# KiCad board uf2-batch-flasher.kicad_pcb
title: UF2 Batch Flasher; date: 2023-10-20; rev: 0.1; company: nbp.name; note: A Raspberry Pi Pico W is used to toggle one USB at a time, and flash it.; note: Select and flash images to up to 64 USB devices.
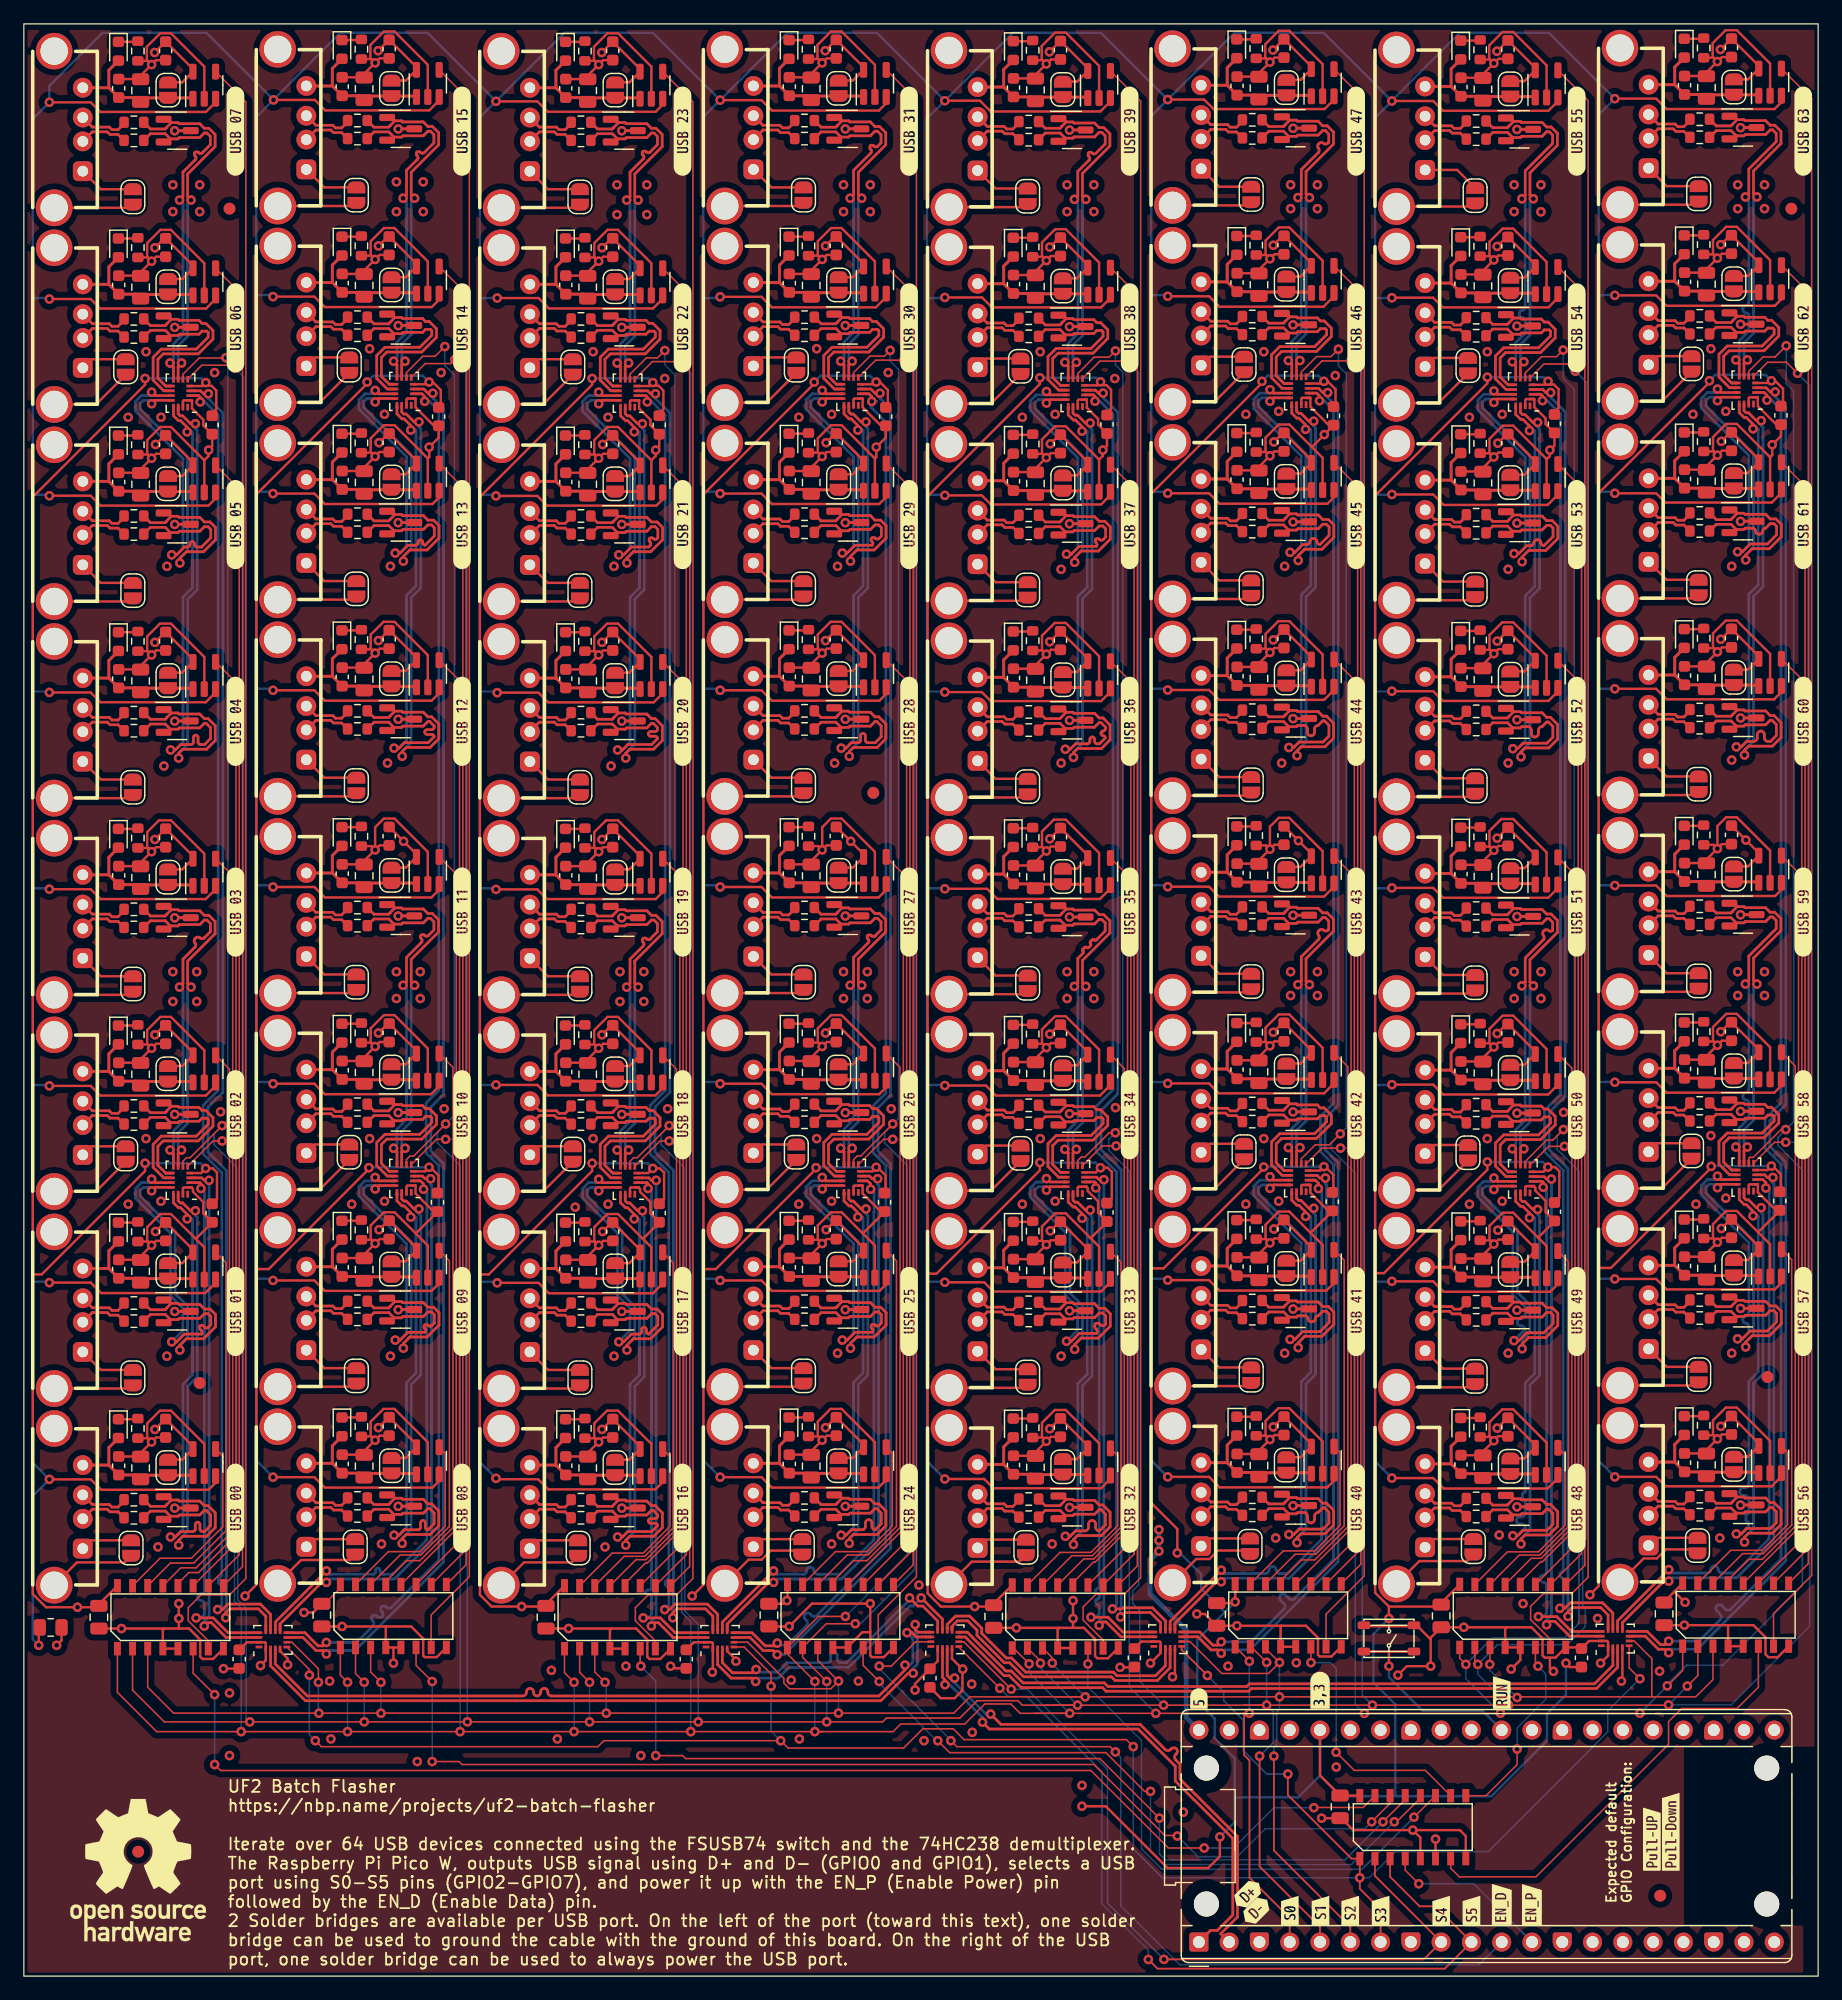
[diagram p0: board, top side]
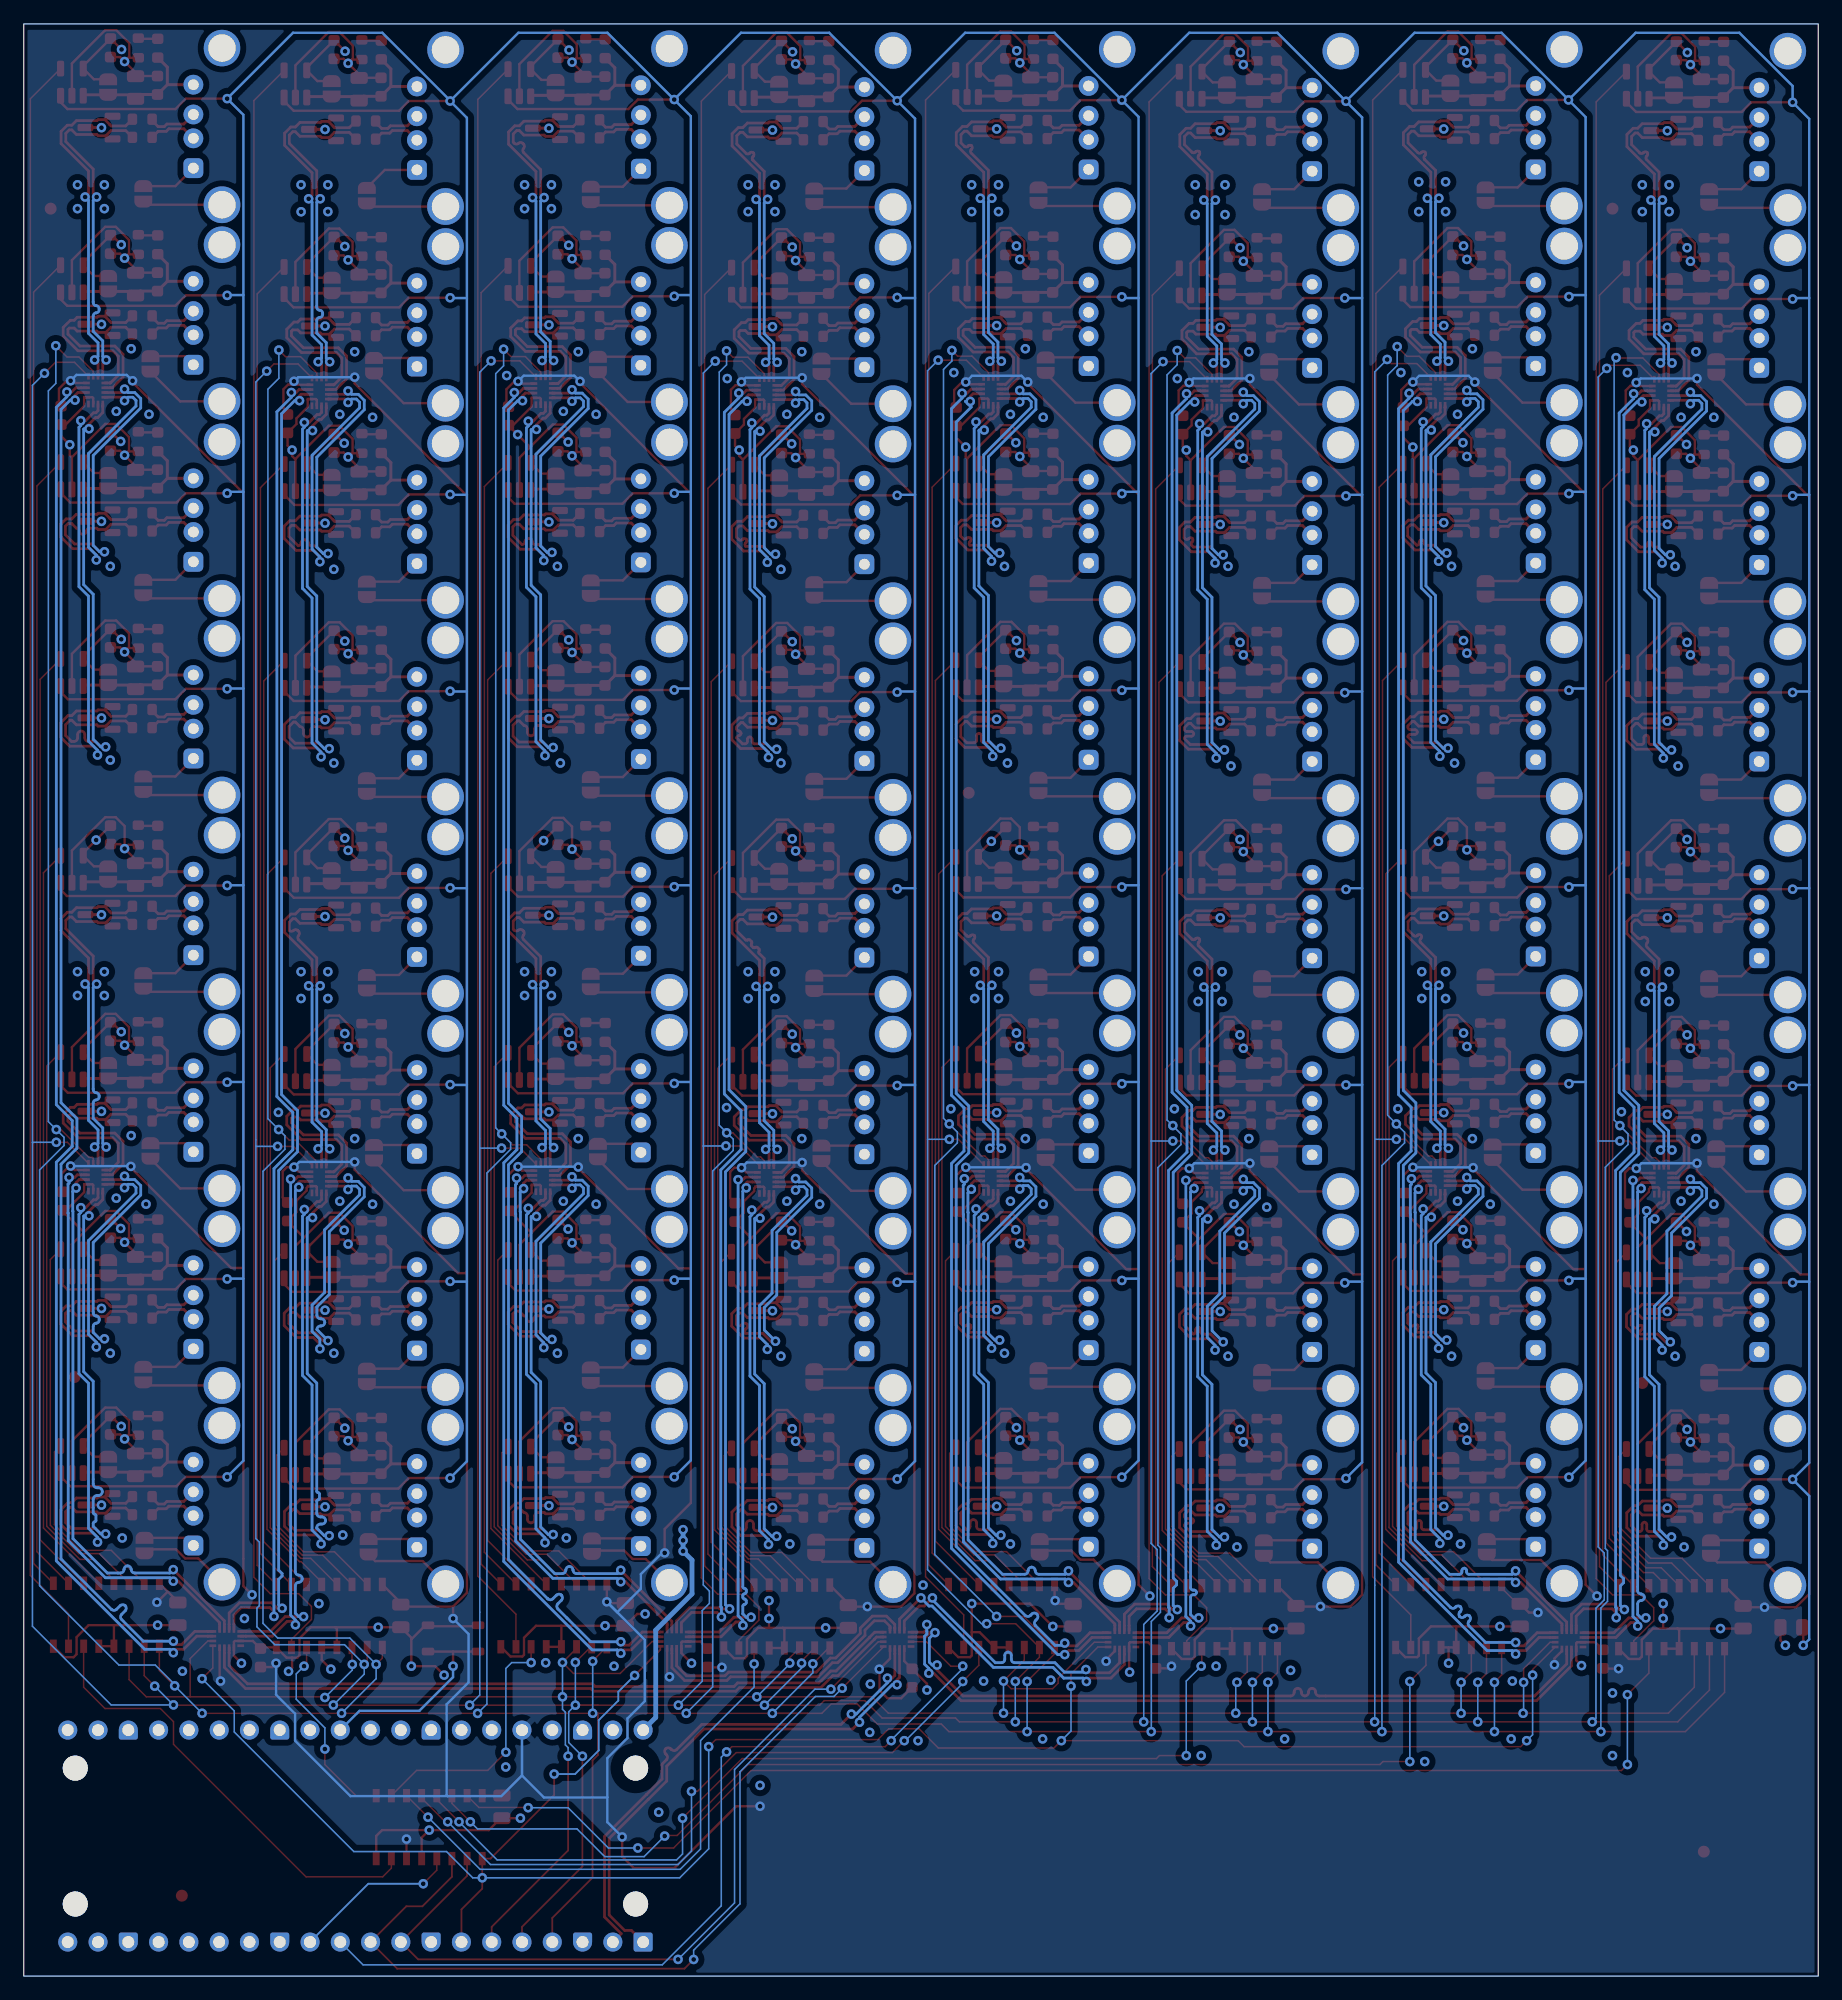
[diagram p1: board, bottom side, seen from below]

Outline 150.5 x 163.75 mm; copper layers: Top, In1.Cu (plane), In2.Cu (plane), Bottom. Coordinates in mm from the lower left corner of the outline.
Outline path: 0,163.75 150.5,163.75 150.5,0 0,0 closed
Stack: Top 0.035mm / dielectric 0.1mm Prepreg 1080 / R-1551(W) er 4.3 / In1.Cu 0.035mm / dielectric 1.24mm Prepreg 1080 / R-1551(W) er 4.3 / In2.Cu 0.035mm / dielectric 0.1mm FR4 er 4.5 / Bottom 0.035mm

## Placement (name value [footprint] x y rotation side)
C101  0.1uF  [C_0805_2012Metric]  110.4 14.2 270 top
C102  1nF  [C_0603_1608Metric]  76 25 90 top
C201  0.1uF  [C_0805_2012Metric]  6.29 30.11 270 top
C202  0.1uF  [C_0805_2012Metric]  24.99 30.28 270 top
C203  1nF  [C_0603_1608Metric]  18.06 26.59 90 top
C301  1nF  [C_0603_1608Metric]  15.79 64.01 270 top
C401  1uF  [C_0603_1608Metric]  11.89 45.95 270 top
C402  0.1uF  [C_0805_2012Metric]  9.79 42.62 90 top
C405  22uF  [C_0603_1608Metric]  7.95 42.81 90 top
C501  1uF  [C_0603_1608Metric]  11.89 62.45 270 top
C502  0.1uF  [C_0805_2012Metric]  9.79 59.12 90 top
C505  22uF  [C_0603_1608Metric]  7.95 59.31 90 top
C601  1uF  [C_0603_1608Metric]  11.89 78.98 270 top
C602  0.1uF  [C_0805_2012Metric]  9.79 75.65 90 top
C605  22uF  [C_0603_1608Metric]  7.95 75.84 90 top
C701  1uF  [C_0603_1608Metric]  11.89 95.47 270 top
C702  0.1uF  [C_0805_2012Metric]  9.79 92.14 90 top
C705  22uF  [C_0603_1608Metric]  7.95 92.33 90 top
C801  1nF  [C_0603_1608Metric]  15.79 130.11 270 top
C901  1uF  [C_0603_1608Metric]  11.89 128.46 270 top
C902  0.1uF  [C_0805_2012Metric]  9.79 125.13 90 top
C905  22uF  [C_0603_1608Metric]  7.95 125.32 90 top
C1001  1uF  [C_0603_1608Metric]  11.89 111.97 270 top
C1002  0.1uF  [C_0805_2012Metric]  9.79 108.64 90 top
C1005  22uF  [C_0603_1608Metric]  7.95 108.83 90 top
C1101  1uF  [C_0603_1608Metric]  11.89 144.99 270 top
C1102  0.1uF  [C_0805_2012Metric]  9.79 141.66 90 top
C1105  22uF  [C_0603_1608Metric]  7.95 141.85 90 top
C1201  1uF  [C_0603_1608Metric]  11.89 161.48 270 top
C1202  0.1uF  [C_0805_2012Metric]  9.79 158.15 90 top
C1205  22uF  [C_0603_1608Metric]  7.95 158.34 90 top
C1301  1nF  [C_0603_1608Metric]  34.69 64.91 270 top
C1401  1uF  [C_0603_1608Metric]  30.64 79.13 270 top
C1402  0.1uF  [C_0805_2012Metric]  28.54 75.8 90 top
C1405  22uF  [C_0603_1608Metric]  26.7 75.99 90 top
C1501  1uF  [C_0603_1608Metric]  30.64 95.62 270 top
C1502  0.1uF  [C_0805_2012Metric]  28.54 92.29 90 top
C1505  22uF  [C_0603_1608Metric]  26.7 92.48 90 top
C1601  1uF  [C_0603_1608Metric]  30.64 46.1 270 top
C1602  0.1uF  [C_0805_2012Metric]  28.54 42.77 90 top
C1605  22uF  [C_0603_1608Metric]  26.7 42.96 90 top
C1701  1uF  [C_0603_1608Metric]  30.64 62.6 270 top
C1702  0.1uF  [C_0805_2012Metric]  28.54 59.27 90 top
C1705  22uF  [C_0603_1608Metric]  26.7 59.46 90 top
C1801  1nF  [C_0603_1608Metric]  34.79 130.81 270 top
C1901  1uF  [C_0603_1608Metric]  30.64 161.63 270 top
C1902  0.1uF  [C_0805_2012Metric]  28.54 158.3 90 top
C1905  22uF  [C_0603_1608Metric]  26.7 158.49 90 top
C2001  1uF  [C_0603_1608Metric]  30.64 145.14 270 top
C2002  0.1uF  [C_0805_2012Metric]  28.54 141.81 90 top
C2005  22uF  [C_0603_1608Metric]  26.7 142 90 top
C2101  1uF  [C_0603_1608Metric]  30.64 128.61 270 top
C2102  0.1uF  [C_0805_2012Metric]  28.54 125.28 90 top
C2105  22uF  [C_0603_1608Metric]  26.7 125.47 90 top
C2201  1uF  [C_0603_1608Metric]  30.64 112.12 270 top
C2202  0.1uF  [C_0805_2012Metric]  28.54 108.79 90 top
C2205  22uF  [C_0603_1608Metric]  26.7 108.98 90 top
C2301  0.1uF  [C_0805_2012Metric]  43.79 30.11 270 top
C2302  0.1uF  [C_0805_2012Metric]  62.49 30.28 270 top
C2303  1nF  [C_0603_1608Metric]  55.56 26.59 90 top
C2401  1uF  [C_0603_1608Metric]  49.39 111.97 270 top
C2402  0.1uF  [C_0805_2012Metric]  47.29 108.64 90 top
C2405  22uF  [C_0603_1608Metric]  45.45 108.83 90 top
C2501  1uF  [C_0603_1608Metric]  68.14 145.14 270 top
C2502  0.1uF  [C_0805_2012Metric]  66.04 141.81 90 top
C2505  22uF  [C_0603_1608Metric]  64.2 142 90 top
C2601  1uF  [C_0603_1608Metric]  68.14 128.61 270 top
C2602  0.1uF  [C_0805_2012Metric]  66.04 125.28 90 top
C2605  22uF  [C_0603_1608Metric]  64.2 125.47 90 top
C2701  1nF  [C_0603_1608Metric]  72.29 130.81 270 top
C2801  1uF  [C_0603_1608Metric]  68.14 95.62 270 top
C2802  0.1uF  [C_0805_2012Metric]  66.04 92.29 90 top
C2805  22uF  [C_0603_1608Metric]  64.2 92.48 90 top
C2901  1uF  [C_0603_1608Metric]  68.14 46.1 270 top
C2902  0.1uF  [C_0805_2012Metric]  66.04 42.77 90 top
C2905  22uF  [C_0603_1608Metric]  64.2 42.96 90 top
C3001  1uF  [C_0603_1608Metric]  49.39 144.99 270 top
C3002  0.1uF  [C_0805_2012Metric]  47.29 141.66 90 top
C3005  22uF  [C_0603_1608Metric]  45.45 141.85 90 top
C3101  1nF  [C_0603_1608Metric]  53.29 64.01 270 top
C3201  1uF  [C_0603_1608Metric]  68.14 79.13 270 top
C3202  0.1uF  [C_0805_2012Metric]  66.04 75.8 90 top
C3205  22uF  [C_0603_1608Metric]  64.2 75.99 90 top
C3301  1uF  [C_0603_1608Metric]  68.14 62.6 270 top
C3302  0.1uF  [C_0805_2012Metric]  66.04 59.27 90 top
C3305  22uF  [C_0603_1608Metric]  64.2 59.46 90 top
C3401  1uF  [C_0603_1608Metric]  49.39 62.45 270 top
C3402  0.1uF  [C_0805_2012Metric]  47.29 59.12 90 top
C3405  22uF  [C_0603_1608Metric]  45.45 59.31 90 top
C3501  1nF  [C_0603_1608Metric]  72.19 64.91 270 top
C3601  1uF  [C_0603_1608Metric]  49.39 45.95 270 top
C3602  0.1uF  [C_0805_2012Metric]  47.29 42.62 90 top
C3605  22uF  [C_0603_1608Metric]  45.45 42.81 90 top
C3701  1uF  [C_0603_1608Metric]  49.39 161.48 270 top
C3702  0.1uF  [C_0805_2012Metric]  47.29 158.15 90 top
C3705  22uF  [C_0603_1608Metric]  45.45 158.34 90 top
C3801  1uF  [C_0603_1608Metric]  49.39 128.46 270 top
C3802  0.1uF  [C_0805_2012Metric]  47.29 125.13 90 top
C3805  22uF  [C_0603_1608Metric]  45.45 125.32 90 top
C3901  1uF  [C_0603_1608Metric]  49.39 78.98 270 top
C3902  0.1uF  [C_0805_2012Metric]  47.29 75.65 90 top
C3905  22uF  [C_0603_1608Metric]  45.45 75.84 90 top
C4001  1nF  [C_0603_1608Metric]  53.29 130.11 270 top
C4101  1uF  [C_0603_1608Metric]  49.39 95.47 270 top
C4102  0.1uF  [C_0805_2012Metric]  47.29 92.14 90 top
C4105  22uF  [C_0603_1608Metric]  45.45 92.33 90 top
C4201  1uF  [C_0603_1608Metric]  68.14 161.63 270 top
C4202  0.1uF  [C_0805_2012Metric]  66.04 158.3 90 top
C4205  22uF  [C_0603_1608Metric]  64.2 158.49 90 top
C4301  1uF  [C_0603_1608Metric]  68.14 112.12 270 top
C4302  0.1uF  [C_0805_2012Metric]  66.04 108.79 90 top
C4305  22uF  [C_0603_1608Metric]  64.2 108.98 90 top
C4401  0.1uF  [C_0805_2012Metric]  81.35 30.16 270 top
C4402  0.1uF  [C_0805_2012Metric]  100.05 30.34 270 top
C4403  1nF  [C_0603_1608Metric]  93.15 26.7 90 top
C4501  1uF  [C_0603_1608Metric]  105.7 79.18 270 top
C4502  0.1uF  [C_0805_2012Metric]  103.6 75.85 90 top
C4505  22uF  [C_0603_1608Metric]  101.76 76.04 90 top
C4601  1uF  [C_0603_1608Metric]  105.7 62.65 270 top
C4602  0.1uF  [C_0805_2012Metric]  103.6 59.32 90 top
C4605  22uF  [C_0603_1608Metric]  101.76 59.51 90 top
C4701  1uF  [C_0603_1608Metric]  105.7 128.67 270 top
C4702  0.1uF  [C_0805_2012Metric]  103.6 125.34 90 top
C4705  22uF  [C_0603_1608Metric]  101.76 125.53 90 top
C4801  1nF  [C_0603_1608Metric]  90.85 64.06 270 top
C4901  1uF  [C_0603_1608Metric]  86.95 46.01 270 top
C4902  0.1uF  [C_0805_2012Metric]  84.85 42.68 90 top
C4905  22uF  [C_0603_1608Metric]  83.01 42.87 90 top
C5001  1nF  [C_0603_1608Metric]  109.85 130.86 270 top
C5101  1uF  [C_0603_1608Metric]  86.95 112.02 270 top
C5102  0.1uF  [C_0805_2012Metric]  84.85 108.69 90 top
C5105  22uF  [C_0603_1608Metric]  83.01 108.88 90 top
C5201  1nF  [C_0603_1608Metric]  109.75 64.96 270 top
C5301  1uF  [C_0603_1608Metric]  105.7 95.67 270 top
C5302  0.1uF  [C_0805_2012Metric]  103.6 92.34 90 top
C5305  22uF  [C_0603_1608Metric]  101.76 92.53 90 top
C5401  1uF  [C_0603_1608Metric]  105.7 46.16 270 top
C5402  0.1uF  [C_0805_2012Metric]  103.6 42.83 90 top
C5405  22uF  [C_0603_1608Metric]  101.76 43.02 90 top
C5501  1uF  [C_0603_1608Metric]  86.95 128.52 270 top
C5502  0.1uF  [C_0805_2012Metric]  84.85 125.19 90 top
C5505  22uF  [C_0603_1608Metric]  83.01 125.38 90 top
C5601  1uF  [C_0603_1608Metric]  86.95 145.05 270 top
C5602  0.1uF  [C_0805_2012Metric]  84.85 141.72 90 top
C5605  22uF  [C_0603_1608Metric]  83.01 141.91 90 top
C5701  1uF  [C_0603_1608Metric]  105.7 112.17 270 top
C5702  0.1uF  [C_0805_2012Metric]  103.6 108.84 90 top
C5705  22uF  [C_0603_1608Metric]  101.76 109.03 90 top
C5801  1uF  [C_0603_1608Metric]  105.7 145.2 270 top
C5802  0.1uF  [C_0805_2012Metric]  103.6 141.87 90 top
C5805  22uF  [C_0603_1608Metric]  101.76 142.06 90 top
C5901  1nF  [C_0603_1608Metric]  90.85 130.16 270 top
C6001  1uF  [C_0603_1608Metric]  86.95 79.03 270 top
C6002  0.1uF  [C_0805_2012Metric]  84.85 75.7 90 top
C6005  22uF  [C_0603_1608Metric]  83.01 75.89 90 top
C6101  1uF  [C_0603_1608Metric]  86.95 95.52 270 top
C6102  0.1uF  [C_0805_2012Metric]  84.85 92.19 90 top
C6105  22uF  [C_0603_1608Metric]  83.01 92.38 90 top
C6201  1uF  [C_0603_1608Metric]  105.7 161.69 270 top
C6202  0.1uF  [C_0805_2012Metric]  103.6 158.36 90 top
C6205  22uF  [C_0603_1608Metric]  101.76 158.55 90 top
C6301  1uF  [C_0603_1608Metric]  86.95 62.5 270 top
C6302  0.1uF  [C_0805_2012Metric]  84.85 59.17 90 top
C6305  22uF  [C_0603_1608Metric]  83.01 59.36 90 top
C6401  1uF  [C_0603_1608Metric]  86.95 161.54 270 top
C6402  0.1uF  [C_0805_2012Metric]  84.85 158.21 90 top
C6405  22uF  [C_0603_1608Metric]  83.01 158.4 90 top
C6501  0.1uF  [C_0805_2012Metric]  118.88 30.21 270 top
C6502  0.1uF  [C_0805_2012Metric]  137.58 30.39 270 top
C6503  1nF  [C_0603_1608Metric]  130.65 26.7 90 top
C6601  1uF  [C_0603_1608Metric]  124.48 112.08 270 top
C6602  0.1uF  [C_0805_2012Metric]  122.38 108.75 90 top
C6605  22uF  [C_0603_1608Metric]  120.54 108.94 90 top
C6701  1uF  [C_0603_1608Metric]  124.48 128.57 270 top
C6702  0.1uF  [C_0805_2012Metric]  122.38 125.24 90 top
C6705  22uF  [C_0603_1608Metric]  120.54 125.43 90 top
C6801  1uF  [C_0603_1608Metric]  143.23 79.23 270 top
C6802  0.1uF  [C_0805_2012Metric]  141.13 75.9 90 top
C6805  22uF  [C_0603_1608Metric]  139.29 76.09 90 top
C6901  1uF  [C_0603_1608Metric]  124.48 62.55 270 top
C6902  0.1uF  [C_0805_2012Metric]  122.38 59.22 90 top
C6905  22uF  [C_0603_1608Metric]  120.54 59.41 90 top
C7001  1uF  [C_0603_1608Metric]  124.48 79.08 270 top
C7002  0.1uF  [C_0805_2012Metric]  122.38 75.75 90 top
C7005  22uF  [C_0603_1608Metric]  120.54 75.94 90 top
C7101  1nF  [C_0603_1608Metric]  128.38 130.21 270 top
C7201  1uF  [C_0603_1608Metric]  143.23 112.22 270 top
C7202  0.1uF  [C_0805_2012Metric]  141.13 108.89 90 top
C7205  22uF  [C_0603_1608Metric]  139.29 109.08 90 top
C7301  1uF  [C_0603_1608Metric]  143.23 95.72 270 top
C7302  0.1uF  [C_0805_2012Metric]  141.13 92.39 90 top
C7305  22uF  [C_0603_1608Metric]  139.29 92.58 90 top
C7401  1uF  [C_0603_1608Metric]  124.48 161.59 270 top
C7402  0.1uF  [C_0805_2012Metric]  122.38 158.26 90 top
C7405  22uF  [C_0603_1608Metric]  120.54 158.45 90 top
C7501  1uF  [C_0603_1608Metric]  143.23 46.21 270 top
C7502  0.1uF  [C_0805_2012Metric]  141.13 42.88 90 top
C7505  22uF  [C_0603_1608Metric]  139.29 43.07 90 top
C7601  1uF  [C_0603_1608Metric]  143.23 145.25 270 top
C7602  0.1uF  [C_0805_2012Metric]  141.13 141.92 90 top
C7605  22uF  [C_0603_1608Metric]  139.29 142.11 90 top
C7701  1uF  [C_0603_1608Metric]  143.23 128.72 270 top
C7702  0.1uF  [C_0805_2012Metric]  141.13 125.39 90 top
C7705  22uF  [C_0603_1608Metric]  139.29 125.58 90 top
C7801  1nF  [C_0603_1608Metric]  147.38 130.91 270 top
C7901  1uF  [C_0603_1608Metric]  124.48 145.1 270 top
C7902  0.1uF  [C_0805_2012Metric]  122.38 141.77 90 top
C7905  22uF  [C_0603_1608Metric]  120.54 141.96 90 top
C8001  1uF  [C_0603_1608Metric]  124.48 95.57 270 top
C8002  0.1uF  [C_0805_2012Metric]  122.38 92.24 90 top
C8005  22uF  [C_0603_1608Metric]  120.54 92.43 90 top
C8101  1nF  [C_0603_1608Metric]  147.28 65.01 270 top
C8201  1uF  [C_0603_1608Metric]  143.23 62.7 270 top
C8202  0.1uF  [C_0805_2012Metric]  141.13 59.38 90 top
C8205  22uF  [C_0603_1608Metric]  139.29 59.56 90 top
C8301  1uF  [C_0603_1608Metric]  143.23 161.74 270 top
C8302  0.1uF  [C_0805_2012Metric]  141.13 158.41 90 top
C8305  22uF  [C_0603_1608Metric]  139.29 158.6 90 top
C8401  1uF  [C_0603_1608Metric]  124.48 46.06 270 top
C8402  0.1uF  [C_0805_2012Metric]  122.38 42.73 90 top
C8405  22uF  [C_0603_1608Metric]  120.54 42.92 90 top
C8501  1nF  [C_0603_1608Metric]  128.38 64.11 270 top
D401  Green  [LED_0603_1608Metric]  7.93 45.92 270 top
D402  PESD2USB3UVT-QR  [SOT-23-3]  12.86 39.26 0 top
D501  Green  [LED_0603_1608Metric]  7.93 62.42 270 top
D502  PESD2USB3UVT-QR  [SOT-23-3]  12.86 55.76 0 top
D601  Green  [LED_0603_1608Metric]  7.93 78.95 270 top
D602  PESD2USB3UVT-QR  [SOT-23-3]  12.86 72.29 0 top
D701  Green  [LED_0603_1608Metric]  7.93 95.44 270 top
D702  PESD2USB3UVT-QR  [SOT-23-3]  12.86 88.78 0 top
D901  Green  [LED_0603_1608Metric]  7.93 128.43 270 top
D902  PESD2USB3UVT-QR  [SOT-23-3]  12.86 121.77 0 top
D1001  Green  [LED_0603_1608Metric]  7.93 111.94 270 top
D1002  PESD2USB3UVT-QR  [SOT-23-3]  12.86 105.28 0 top
D1101  Green  [LED_0603_1608Metric]  7.93 144.96 270 top
D1102  PESD2USB3UVT-QR  [SOT-23-3]  12.86 138.3 0 top
D1201  Green  [LED_0603_1608Metric]  7.93 161.45 270 top
D1202  PESD2USB3UVT-QR  [SOT-23-3]  12.86 154.79 0 top
D1401  Green  [LED_0603_1608Metric]  26.68 79.1 270 top
D1402  PESD2USB3UVT-QR  [SOT-23-3]  31.61 72.44 0 top
D1501  Green  [LED_0603_1608Metric]  26.68 95.59 270 top
D1502  PESD2USB3UVT-QR  [SOT-23-3]  31.61 88.93 0 top
D1601  Green  [LED_0603_1608Metric]  26.68 46.07 270 top
D1602  PESD2USB3UVT-QR  [SOT-23-3]  31.61 39.41 0 top
D1701  Green  [LED_0603_1608Metric]  26.68 62.57 270 top
D1702  PESD2USB3UVT-QR  [SOT-23-3]  31.61 55.91 0 top
D1901  Green  [LED_0603_1608Metric]  26.68 161.6 270 top
D1902  PESD2USB3UVT-QR  [SOT-23-3]  31.61 154.94 0 top
D2001  Green  [LED_0603_1608Metric]  26.68 145.11 270 top
D2002  PESD2USB3UVT-QR  [SOT-23-3]  31.61 138.45 0 top
D2101  Green  [LED_0603_1608Metric]  26.68 128.58 270 top
D2102  PESD2USB3UVT-QR  [SOT-23-3]  31.61 121.92 0 top
D2201  Green  [LED_0603_1608Metric]  26.68 112.09 270 top
D2202  PESD2USB3UVT-QR  [SOT-23-3]  31.61 105.43 0 top
D2401  Green  [LED_0603_1608Metric]  45.43 111.94 270 top
D2402  PESD2USB3UVT-QR  [SOT-23-3]  50.36 105.28 0 top
D2501  Green  [LED_0603_1608Metric]  64.18 145.11 270 top
D2502  PESD2USB3UVT-QR  [SOT-23-3]  69.11 138.45 0 top
D2601  Green  [LED_0603_1608Metric]  64.18 128.58 270 top
D2602  PESD2USB3UVT-QR  [SOT-23-3]  69.11 121.92 0 top
D2801  Green  [LED_0603_1608Metric]  64.18 95.59 270 top
D2802  PESD2USB3UVT-QR  [SOT-23-3]  69.11 88.93 0 top
D2901  Green  [LED_0603_1608Metric]  64.18 46.07 270 top
D2902  PESD2USB3UVT-QR  [SOT-23-3]  69.11 39.41 0 top
D3001  Green  [LED_0603_1608Metric]  45.43 144.96 270 top
D3002  PESD2USB3UVT-QR  [SOT-23-3]  50.36 138.3 0 top
D3201  Green  [LED_0603_1608Metric]  64.18 79.1 270 top
D3202  PESD2USB3UVT-QR  [SOT-23-3]  69.11 72.44 0 top
D3301  Green  [LED_0603_1608Metric]  64.18 62.57 270 top
D3302  PESD2USB3UVT-QR  [SOT-23-3]  69.11 55.91 0 top
D3401  Green  [LED_0603_1608Metric]  45.43 62.42 270 top
D3402  PESD2USB3UVT-QR  [SOT-23-3]  50.36 55.76 0 top
D3601  Green  [LED_0603_1608Metric]  45.43 45.92 270 top
D3602  PESD2USB3UVT-QR  [SOT-23-3]  50.36 39.26 0 top
D3701  Green  [LED_0603_1608Metric]  45.43 161.45 270 top
D3702  PESD2USB3UVT-QR  [SOT-23-3]  50.36 154.79 0 top
D3801  Green  [LED_0603_1608Metric]  45.43 128.43 270 top
D3802  PESD2USB3UVT-QR  [SOT-23-3]  50.36 121.77 0 top
D3901  Green  [LED_0603_1608Metric]  45.43 78.95 270 top
D3902  PESD2USB3UVT-QR  [SOT-23-3]  50.36 72.29 0 top
D4101  Green  [LED_0603_1608Metric]  45.43 95.44 270 top
D4102  PESD2USB3UVT-QR  [SOT-23-3]  50.36 88.78 0 top
D4201  Green  [LED_0603_1608Metric]  64.18 161.6 270 top
D4202  PESD2USB3UVT-QR  [SOT-23-3]  69.11 154.94 0 top
D4301  Green  [LED_0603_1608Metric]  64.18 112.09 270 top
D4302  PESD2USB3UVT-QR  [SOT-23-3]  69.11 105.43 0 top
D4501  Green  [LED_0603_1608Metric]  101.74 79.15 270 top
D4502  PESD2USB3UVT-QR  [SOT-23-3]  106.67 72.49 0 top
D4601  Green  [LED_0603_1608Metric]  101.74 62.62 270 top
D4602  PESD2USB3UVT-QR  [SOT-23-3]  106.67 55.97 0 top
D4701  Green  [LED_0603_1608Metric]  101.74 128.64 270 top
D4702  PESD2USB3UVT-QR  [SOT-23-3]  106.67 121.98 0 top
D4901  Green  [LED_0603_1608Metric]  82.99 45.98 270 top
D4902  PESD2USB3UVT-QR  [SOT-23-3]  87.92 39.32 0 top
D5101  Green  [LED_0603_1608Metric]  82.99 111.99 270 top
D5102  PESD2USB3UVT-QR  [SOT-23-3]  87.92 105.34 0 top
D5301  Green  [LED_0603_1608Metric]  101.74 95.64 270 top
D5302  PESD2USB3UVT-QR  [SOT-23-3]  106.67 88.99 0 top
D5401  Green  [LED_0603_1608Metric]  101.74 46.13 270 top
D5402  PESD2USB3UVT-QR  [SOT-23-3]  106.67 39.47 0 top
D5501  Green  [LED_0603_1608Metric]  82.99 128.49 270 top
D5502  PESD2USB3UVT-QR  [SOT-23-3]  87.92 121.83 0 top
D5601  Green  [LED_0603_1608Metric]  82.99 145.02 270 top
D5602  PESD2USB3UVT-QR  [SOT-23-3]  87.92 138.36 0 top
D5701  Green  [LED_0603_1608Metric]  101.74 112.14 270 top
D5702  PESD2USB3UVT-QR  [SOT-23-3]  106.67 105.49 0 top
D5801  Green  [LED_0603_1608Metric]  101.74 145.17 270 top
D5802  PESD2USB3UVT-QR  [SOT-23-3]  106.67 138.51 0 top
D6001  Green  [LED_0603_1608Metric]  82.99 79 270 top
D6002  PESD2USB3UVT-QR  [SOT-23-3]  87.92 72.34 0 top
D6101  Green  [LED_0603_1608Metric]  82.99 95.49 270 top
D6102  PESD2USB3UVT-QR  [SOT-23-3]  87.92 88.84 0 top
D6201  Green  [LED_0603_1608Metric]  101.74 161.66 270 top